# Altium PCB Laser.PcbDoc
Units mil, origin at the board's own origin, x right, y up, seen from the top; angles counter-clockwise.
Board outline 3857.94 x 2913.78 mil, 2 copper layers (Top Layer, Bottom Layer); 97 components, 68 nets, 365 pads, 86 vias.
Unrouted connection lines stored in the file: 15.
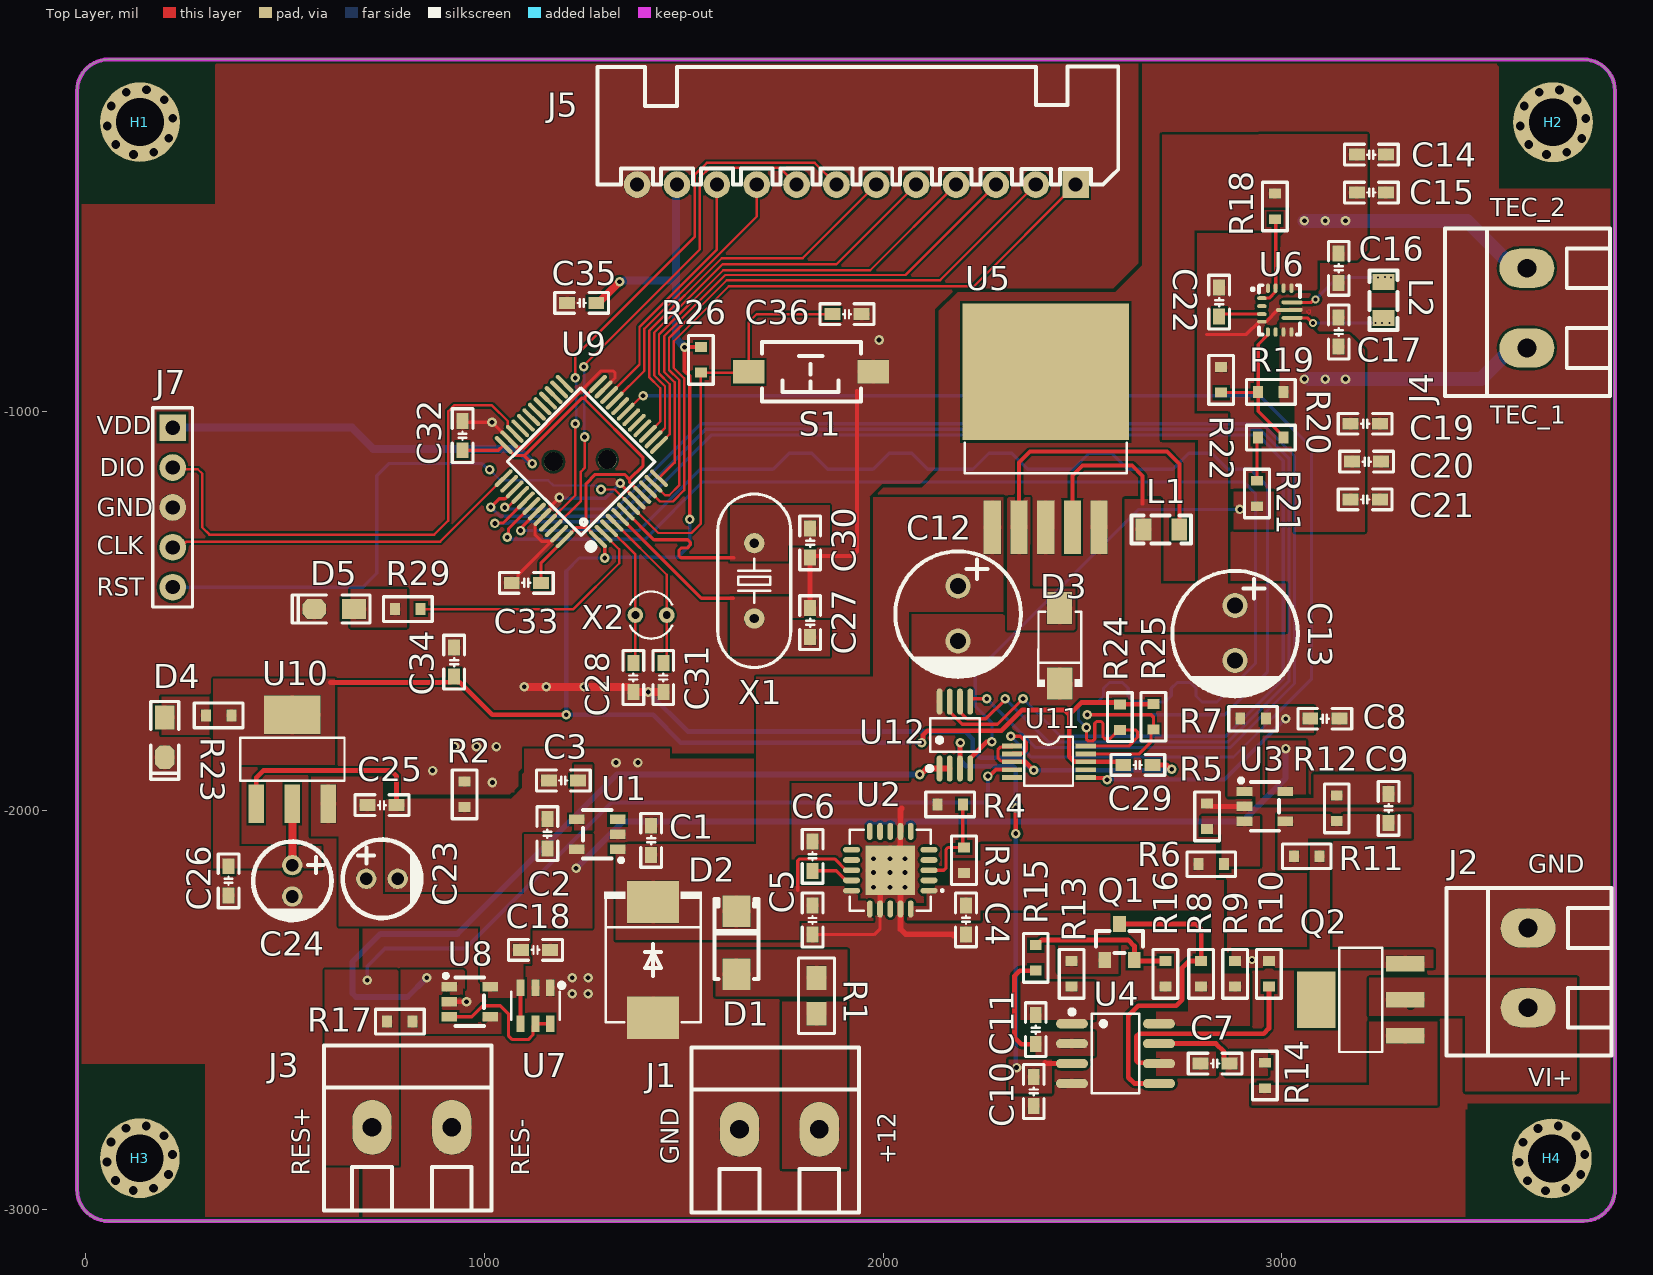
[diagram p0: Top Layer view]
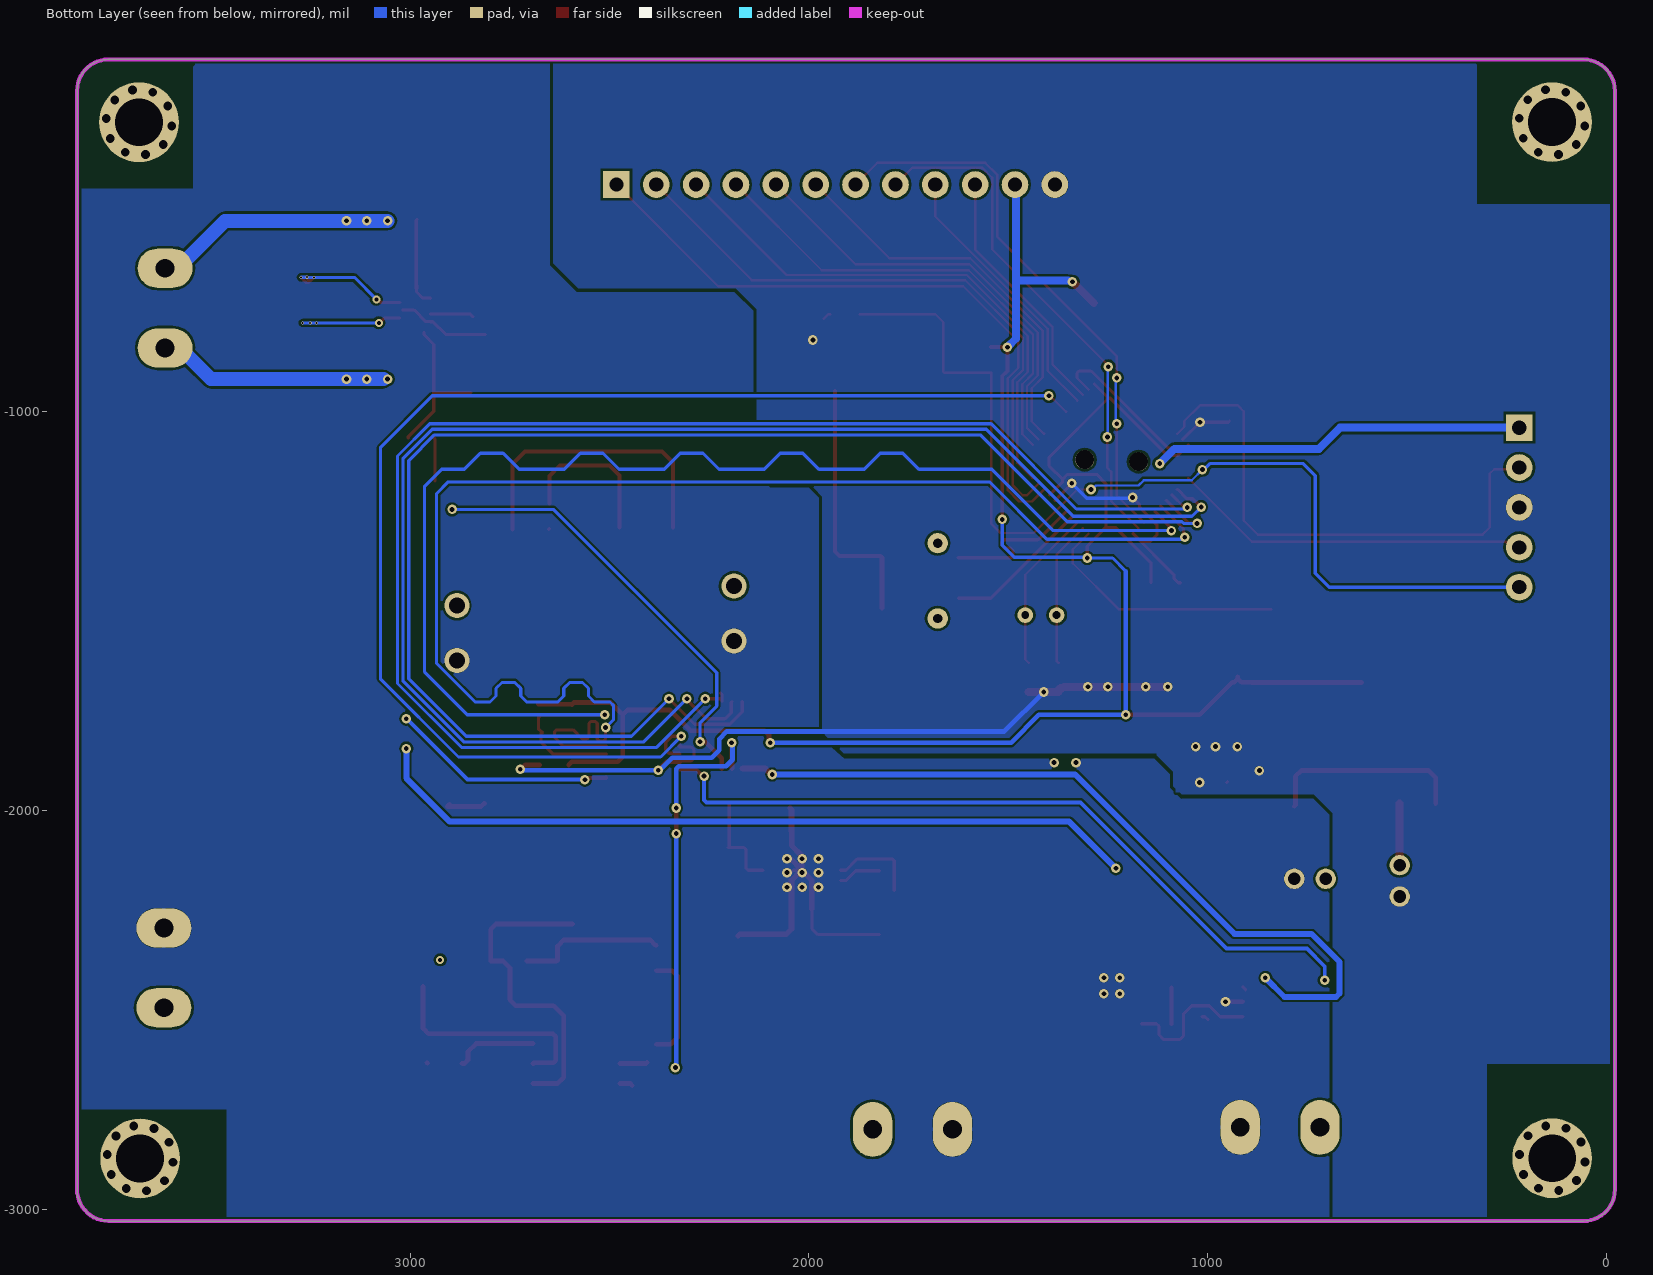
[diagram p1: Bottom Layer view, seen from below]

## Layer stack, top to bottom
Top Solder: solder mask 0.4, Solder Resist, Dk 3.5
Top Layer: signal copper 1.4
Dielectric 1: dielectric 12.6, FR-4, Dk 4.8
Bottom Layer: signal copper 1.4
Bottom Solder: solder mask 0.4, Solder Resist, Dk 3.5

## Board outline
56.74,-3030 cw(c56.74,-2951.26) -22,-2951.26 -22,-195.35 cw(c56.94,-195.16) 56.74,-116.22 3757.53,-116.22 cw(c3757.65,-194.51) 3835.94,-194.38 3835.94,-2950.28 cw(c3756.87,-2950.93) 3757.53,-3030

## Design rules (kind name [scope] priority, off if disabled: settings)
Clearance Signal [InNetClass('Signal')] p1: gap=6 ignorepadtopadclearanceinfootprint=FALSE
Clearance [All] p2: gap=6 ignorepadtopadclearanceinfootprint=FALSE
PlaneConnect [All] p1: planeconnectstyle=Direct reliefexpansion=20 reliefentries=4 reliefconductorwidth=10 reliefairgap=10
PolygonConnect [All] p1 off: connectstyle=Relief reliefconductorwidth=10 reliefentries=4 polygonreliefangle="90 Angle" airgapwidth=10
RoutingVias [All] p1: holewidth=12 width=24 viastyle="Through Hole" minholewidth=5 minwidth=8 maxholewidth=28 maxwidth=50
SilkToSilkClearance [All] p1: silktosilkclearance=2
SolderMaskExpansion [All] p1: expansion=4 istentingtop=FALSE
Width [All] p1: maxlimit=35 minlimit=6 preferedwidth=8
28 further rules are at their usual default settings.

## Classes and differential pairs
net class GND: DGND GND
component class U_STM32_System: C23 C24 C25 C26 C27 C28 C29 C30 C31 C32 C33 C34 C35 C36 D4 D5 J5 J7 R23 R24 R25 R26 R29 S1 U9 U10 U12 X1 X2
component class U_V-I_Transform: C4 C5 C6 C7 C8 C9 C10 C11 J2 Q1 Q2 R3 R4 R5 R6 R7 R8 R9 R10 R11 R12 R13 R14 R15 R16 U2 U3 U4
component class U_Tec_Control: C12 C13 C14 C15 C16 C17 C18 C19 C20 C21 C22 D3 J3 J4 L1 L2 R17 R18 R19 R20 R21 R22 U5 U6 U7 U8
component class Laser_main: C1 C2 C3 D1 D2 J1 R1 R2 U1

## Components (designator, comment, footprint, x,y, rotation, side; value= is the part's Value field where it differs from the comment)
C1 "1uF" "C 0603_M" 1418,-2075 r90 top
C2 "2.2uF" "C 0603_M" 1158,-2058.5 r90 top
C3 "0.01uF" "C 0603_M" 1198,-1925 r180 top
C4 "47uF" "C 0603_M" 2208,-2274.5 r90 top
C5 "10uF" "C 0603_M" 1823,-2275 r270 top
C6 "1uF" "C 0603_M" 1823,-2115 r90 top
C7 "2.2nF" "C 0603_M" 2833,-2635 r180 top
C8 "0.1uF" "C 0603_M" 3108,-1770 r0 top
C9 "0.1uF" "C 0603_M" 3268,-1995 r270 top
C10 "100pF" "C 0603_M" 2378,-2705 r90 top
C11 "1nF" "C 0603_M" 2383,-2550 r270 top
C12 "680uF" CAP-TH_BD8.0-P3.50-D0.6-FD 2188,-1506.1 r270 top
C13 "220uF" CAP-TH_BD8.0-P3.50-D0.6-FD 2883,-1554.9 r270 top
C14 "10uF" "C 0603_M" 3225,-355 r0 top
C15 "10uF" "C 0603_M" 3225,-450 r0 top
C16 "10uF" "C 0603_M" 3143,-640 r270 top
C17 "10uF" "C 0603_M" 3143,-800 r90 top
C18 "0.47uF" "C 0603_M" 1128,-2350 r0 top
C19 "22uF" "C 0603_M" 3209.5,-1030 r0 top
C20 "22uF" "C 0603_M" 3213,-1125 r0 top
C21 "22uF" "C 0603_M" 3209.5,-1220 r0 top
C22 "100nF" "C 0603_M" 2843,-725 r90 top
C23 "10uF/16V" CAP-TH_BD5.0-P2.00-D0.8-FD 743,-2171.61 r0 top
C24 "10uF/16V" CAP-TH_BD5.0-P2.00-D0.8-FD 518,-2176.61 r270 top
C25 "0.1uF" "C 0603_M" 743,-1986.61 r0 top
C26 "0.1uF" "C 0603_M" 358,-2176.61 r270 top
C27 "20pF" "C 0603_M" 1817,-1529 r270 top
C28 "10pF" "C 0603_M" 1373.63,-1666.5 r90 top
C29 "0.1uF" "C 0603_M" 2639,-1886 r0 top
C30 "20pF" "C 0603_M" 1817,-1329 r90 top
C31 "10pF" "C 0603_M" 1448.63,-1666.5 r90 top
C32 "0.1uF" "C 0603_M" 945,-1060 r90 top
C33 "0.1uF" "C 0603_M" 1105,-1429 r180 top
C34 "0.1uF" "C 0603_M" 924,-1628 r90 top
C35 "0.1uF" "C 0603_M" 1244,-727 r180 top
C36 "0.1uF" "C 0603_M" 1909.5,-755 r0 top
D1 "SS34_C2909963" SMA_L4.2-W2.7-LS5.0-RD 1632,-2332 r270 top
D2 "SMCJ12A_C967221" SMC_L6.9-W5.9-LS8.0-RD 1423,-2375 r270 top
D3 "1N5824" SMA_L4.3-W2.6-LS5.0-RD 2443,-1587 r90 top
D4 "POWER-LED" "LED 0805R" 198,-1816.61 r270 top
D5 "LED" "LED 0805R" 623,-1495 r180 top
H1 "固定孔" 铜柱孔3 135.88,-273.5 r0 top
H2 "固定孔" 铜柱孔3 3680.52,-273.7 r0 top
H3 "固定孔" 铜柱孔3 135.48,-2872.52 r0 top
H4 "固定孔" 铜柱孔3 3677.71,-2873.02 r0 top
J1 "POWER" KF128-5.08-2P#1 1740,-2800 r0 top
J2 "Laser_VI" KF128-5.08-2P#2 3618,-2395 r90 top
J3 "Laser_热敏" KF128-5.08-2P#2 818,-2795 r0 top
J4 "Laser_TEC" KF128-5.08-2P#2 3615,-740 r90 top
J5 "CON12_1" XH2.54-WI-12P 1933,-430 r180 top
J7 "CON5" HDR2.54-LI-5P 218,-1240 r270 top
L1 "33uH" "L 0805" 2698,-1295 r0 top
L2 "1.5uH" "L 0805" 3255,-720 r90 top
Q1 "SI2304BDS-T1-GE3" SOT-23_L2.9-W1.3-P1.90-LS2.4-BR 2593,-2330 r270 top
Q2 "NTF2955PT1G" SOT-223-4_L6.5-W3.5-P2.30-LS7.0-BR 3198,-2475 r0 top
R1 "PTC自恢复保险丝" 0805R 1833,-2510 r90 top
R2 "0" 0603R 950,-1960 r270 top
R3 "47K" 0603R 2203,-2125 r270 top
R4 "10K" 0603R 2168,-1985 r0 top
R5 "40.2K" 0603R 2813,-2015 r90 top
R6 "10K" 0603R 2823,-2135 r0 top
R7 "1K" 0603R 2928,-1770 r0 top
R8 "200" 0603R 2798,-2410 r90 top
R9 "2" 0603R 2883,-2410 r90 top
R10 "10K" 0603R 2968,-2410 r90 top
R11 "10K" 0603R 3063,-2115 r180 top
R12 "40.2K" 0603R 3138,-1995 r90 top
R13 "200" 0603R 2473,-2410 r270 top
R14 "330" 0603R 2958,-2665 r90 top
R15 "10K" 0603R 2383,-2370 r270 top
R16 "1.5K" 0603R 2708,-2410 r270 top
R17 "10K" 0603R 788,-2530 r180 top
R18 "10K" 0603R 2983,-485 r90 top
R19 "680K" 0603R 2973,-950 r0 top
R20 "160K" 0603R 2973,-1065 r0 top
R21 "3K" 0603R 2938,-1205 r90 top
R22 "130K" 0603R 2848,-920 r270 top
R23 "10K" 0603R 333,-1761.61 r180 top
R24 "4.7K" 0603R 2594,-1766 r90 top
R25 "4.7K" 0603R 2678,-1765 r90 top
R26 "10K" 0603R 1543,-870 r90 top
R29 "10K" 0603R 808,-1495 r180 top
S1 "SW-SPST" "TSW SMD-3*6*2.5" 1818,-900 r180 top
U1 "LP2985IM5X-5.0/NOPB" SOT-23-5_L3.0-W1.7-P0.95-LS2.8-BR 1283,-2060 r0 top
U2 "TPS7A4701RGWR" VQFN-20_L5.0-W5.0-P0.65-TL-EP 2017.99,-2149.99 r180 top
U3 "OPA333AIDBVR" SOT-23-5_L3.0-W1.7-P0.95-LS2.8-BR 2958,-1990 r180 top
U4 "OPA2197IDR" SOIC-8_L4.9-W3.9-P1.27-LS6.0-BL 2583,-2610 r270 top
U5 "LM2596R-5.0" TO-263-5_L10.2-W8.6-P1.70-LS14.4-TL 2408,-1095 r90 top
U6 "TPS63070RNMR" VQFN-HR-15_L3.0-W2.5-P0.50-BL_TPS63070RNMR 2988,-745 r270 top
U7 "REF3225AIDBVR" SOT-23-6_L2.9-W1.6-P0.95-LS2.8-BL 1128,-2490 r180 top
U8 "OPA333AIDBVR" SOT-23-5_L3.0-W1.7-P0.95-LS2.8-BR 963,-2480 r180 top
U9 "STM32F103C8" LQFP-48_L7.0-W7.0-P0.50-LS9.0-BL 1243,-1125 r45 top
U10 "AMS1117-3.3" SOT-223-4_L6.5-W3.5-P2.30-LS7.0-BR 518,-1871.61 r270 top
U11 "ADS1115IDGST" VSSOP-10_L3.0-W3.0-P0.50-LS4.9-BL 2416,-1878 r270 top
U12 "DAC8552IDGKR" VSSOP-8_L3.0-W3.0-P0.65-LS5.0-BL 2180,-1811 r0 top
X1 "8MHz" "OSC HC-49S" 1677,-1424 r270 top
X2 "32.768KHz" OSC-3x8-LI 1418,-1510 r0 top

## Footprints (in the part's own frame and the unit in brackets; to place one, negate y for a bottom-side part, rotate by r counter-clockwise, add the part's x,y. Pads: shape width x height; smd on the part's side, far side on the other; paste and mask are expansions set on the pad)
0603R [mil]
  rect 25x30 smd: 1(-32,0) 2(32,0)
  silkscreen extent -61,-31 61,31, body extent -32,-16 31,16, height 18
0805R [mil]
  rect 60x50 smd: 1(0,0) 2(90,0)
  silkscreen extent -50,-45 140,45, body extent 5,-25 83,25, height 22
"C 0603_M" [mil] "无极性贴片电容"
  rect 40x30 smd: 1(-36.5,0) 2(36.5,0)
  silkscreen extent -68,-26 68,26, body extent -31,-16 31,16, height 32
CAP-TH_BD5.0-P2.00-D0.8-FD [mm] "径向引线,5x11mm"
  round 1.3 hole 0.8: 1(-1,0) 2(1,0)
  silkscreen extent -2.5,-2.5 2.5,2.5
CAP-TH_BD8.0-P3.50-D0.6-FD [mm] "径向引线,8x16mm"
  round 1.6 hole 1: 1(-1.75,0) 2(1.75,0)
  silkscreen extent -3.96,-4 4.04,4
HDR2.54-LI-5P [mm] "排针，5脚"
  rect 1.7x1.7 hole 0.9: 1(-5.08,0)
  round 1.7 hole 0.9: 2(-2.54,0) 3(0,0) 4(2.54,0) 5(5.08,0)
  silkscreen extent -6.35,-1.27 6.35,1.27, body extent -6.35,-1.27 6.35,1.27, height 8.5
KF128-5.08-2P#1 [mm] "螺钉式接线端子，脚距5.08mm"
  oval 2.5x3.5 hole 1.2: 1(2.54,0) 2(-2.54,0)
  silkscreen extent -5.59,-5.31 5.08,5.21, body extent -5.58,-5.3 5.08,5.2, height 14.15
KF128-5.08-2P#2 [mm] "螺钉式接线端子，脚距5.08mm"
  oval 2.5x3.5 hole 1.2: 1(-2.54,0) 2(2.54,0)
  silkscreen extent -5.59,-5.31 5.08,5.21, body extent -5.58,-5.3 5.08,5.2, height 14.15
"L 0805" [mil] "小功率贴片电感"
  rect 40x55 smd: 1(-45,0) 2(45,0)
  silkscreen extent -75,-35 75,35, body extent -39,-24 39,24, height 35
"LED 0805R" [mil] "红色0805LED"
  rect 60x50 smd: 1(-50,0)
  oct 60x50 smd: 2(50,0)
  silkscreen extent -90,-35 105,35, body extent -39,-25 39,25, height 32
LQFP-48_L7.0-W7.0-P0.50-LS9.0-BL [mm]
  oval 0.27x1.5 smd: 1(-2.75,-4.25) 2(-2.25,-4.25) 3(-1.75,-4.25) 4(-1.25,-4.25) 5(-0.75,-4.25) 6(-0.25,-4.25) 7(0.25,-4.25) 8(0.75,-4.25) 9(1.25,-4.25) 10(1.75,-4.25) 11(2.25,-4.25) 12(2.75,-4.25) 25(2.75,4.25) 26(2.25,4.25) 27(1.75,4.25) 28(1.25,4.25) 29(0.75,4.25) 30(0.25,4.25) 31(-0.25,4.25) 32(-0.75,4.25) 33(-1.25,4.25) 34(-1.75,4.25) 35(-2.25,4.25) 36(-2.75,4.25)
  oval 1.5x0.27 smd: 13(4.25,-2.75) 14(4.25,-2.25) 15(4.25,-1.75) 16(4.25,-1.25) 17(4.25,-0.75) 18(4.25,-0.25) 19(4.25,0.25) 20(4.25,0.75) 21(4.25,1.25) 22(4.25,1.75) 23(4.25,2.25) 24(4.25,2.75) 37(-4.25,2.75) 38(-4.25,2.25) 39(-4.25,1.75) 40(-4.25,1.25) 41(-4.25,0.75) 42(-4.25,0.25) 43(-4.25,-0.25) 44(-4.25,-0.75) 45(-4.25,-1.25) 46(-4.25,-1.75) 47(-4.25,-2.25) 48(-4.25,-2.75)
  silkscreen extent -3.59,-4.46 3.3,3.34
"OSC HC-49S" [mm]
  round 1.3 hole 0.6: 1(-2.4,0) 2(2.4,0)
  silkscreen extent -5.52,-2.32 5.52,2.33, body extent -5.52,-2.32 5.53,2.33, height 4.13
OSC-3x8-LI [mm] "脚距：2mm"
  round 1 hole 0.5: 1(1,0) 2(-1,0)
  silkscreen extent -1.34,-1.5 1.34,1.5, body extent -1.5,-1.5 1.5,1.5, height 9.1
SMA_L4.2-W2.7-LS5.0-RD [mm]
  rect 2x1.8 smd: 1(-2,0) 2(2,0)
  silkscreen extent -2.79,-1.4 2.3,1.4
SMA_L4.3-W2.6-LS5.0-RD [mm]
  rect 2.046x1.62 smd: 1(-2.404,-0.009) 2(2.404,0.009)
  silkscreen extent -2.61,-1.44 2.16,1.44
SMC_L6.9-W5.9-LS8.0-RD [mm]
  rect 2.7x3.3 smd: 1(-3.686,0) 2(3.686,0)
  silkscreen extent -4.36,-3.1 3.98,3.1
SOIC-8_L4.9-W3.9-P1.27-LS6.0-BL [mm]
  oval 0.588x2.045 smd: 1(-1.905,-2.773) 2(-0.635,-2.773) 3(0.635,-2.773) 4(1.905,-2.773) 5(1.905,2.773) 6(0.635,2.773) 7(-0.635,2.773) 8(-1.905,2.773)
  silkscreen extent -2.8,-2.92 2.53,1.52
SOT-23-5_L3.0-W1.7-P0.95-LS2.8-BR [mm]
  rect 1x0.6 smd: 1(1.3,-0.95) 2(1.3,0) 3(1.3,0.95) 4(-1.3,0.95) 5(-1.3,-0.95)
  silkscreen extent -0.9,-1.78 1.65,1.55
SOT-23-6_L2.9-W1.6-P0.95-LS2.8-BL [mm]
  rect 0.532x1.072 smd: 1(-0.95,-1.149) 2(0,-1.149) 3(0.95,-1.149) 4(0.95,1.149) 5(0,1.149) 6(-0.95,1.149)
  silkscreen extent -1.82,-1.45 1.54,0.89
SOT-23_L2.9-W1.3-P1.90-LS2.4-BR [mm]
  rect 1x0.8 smd: 1(1.15,-0.95) 2(1.15,0.95) 3(-1.15,0)
  silkscreen extent -0.7,-1.5 0.7,1.5
SOT-223-4_L6.5-W3.5-P2.30-LS7.0-BR [mm]
  rect 2.47x0.98 smd: 1(2.835,-2.3) 2(2.835,0) 3(2.835,2.3)
  rect 2.47x3.6 smd: 4(-2.835,0)
  silkscreen extent -1.37,-3.33 1.37,3.33
TO-263-5_L10.2-W8.6-P1.70-LS14.4-TL [mm]
  rect 3.4x1.1 smd: 1(-4.953,3.4) 2(-4.953,1.7) 3(-4.953,0) 4(-4.953,-1.7) 5(-4.953,-3.4)
  rect 8.705x10.587 smd: 6(4.953,0)
  silkscreen extent -1.52,-5.17 0.45,5.17
"TSW SMD-3*6*2.5" [mm] "3*6*2.5mm"
  rect 2x1.5 smd: 1(-3.996,-0.02) 2(3.937,0)
  silkscreen extent -3.21,-1.9 3.09,1.9, body extent -4,-1.88 4,1.62, height 2.59
VQFN-20_L5.0-W5.0-P0.65-TL-EP [mm]
  oval 1.087x0.364 smd: 1(-2.469,1.3) 2(-2.469,0.65) 3(-2.468,0) 4(-2.468,-0.65) 5(-2.468,-1.3) 11(2.469,-1.3) 12(2.469,-0.65) 13(2.468,0) 14(2.468,0.65) 15(2.468,1.3)
  oval 0.364x1.087 smd: 6(-1.3,-2.469) 7(-0.65,-2.469) 8(0,-2.468) 9(0.65,-2.468) 10(1.3,-2.468) 16(1.3,2.469) 17(0.65,2.469) 18(0,2.468) 19(-0.65,2.468) 20(-1.3,2.468)
  rect 3.15x3.15 smd: 21(0,0)
  silkscreen extent -3.39,-2.58 2.58,2.58
VQFN-HR-15_L3.0-W2.5-P0.50-BL_TPS63070RNMR [mm]
  oval 0.25x0.599 smd: 1(-0.759,-0.964) 2(-0.251,-0.964) 3(0.257,-0.964) 4(0.739,-0.964)
  oval 0.599x0.25 smd: 5(1.394,-0.573) 6(1.394,-0.09) 7(1.394,0.418) 8(1.394,0.926) 12(-1.394,0.926) 13(-1.394,0.418) 14(-1.394,-0.09) 15(-1.394,-0.573)
  oval 0.25x1.349 smd: 9(0.495,0.964) 11(-0.495,0.964)
  oval 0.25x1.7 smd: 10(-0.013,0.789)
  silkscreen extent -1.58,-1.59 1.55,1.46
VSSOP-8_L3.0-W3.0-P0.65-LS5.0-BL [mm]
  oval 0.364x1.662 smd: 1(-0.975,-2.131) 2(-0.325,-2.131) 3(0.325,-2.131) 4(0.975,-2.131) 5(0.975,2.131) 6(0.325,2.131) 7(-0.325,2.131) 8(-0.975,2.131)
  silkscreen extent -1.76,-2.28 1.58,1.07
VSSOP-10_L3.0-W3.0-P0.50-LS4.9-BL [mm]
  rect 0.3x1.3 smd: 1(-1,-2.35) 2(-0.5,-2.35) 3(0,-2.35) 4(0.5,-2.35) 5(1,-2.35) 6(1,2.35) 7(0.5,2.35) 8(0,2.35) 9(-0.5,2.35) 10(-1,2.35)
  silkscreen extent -1.6,-1.56 1.52,1.54
XH2.54-WI-12P [mm] "接插件，12P"
  rect 1.7x1.7 hole 0.9: 1(-13.97,0)
  round 1.7 hole 0.9: 2(-11.43,0) 3(-8.89,0) 4(-6.35,0) 5(-3.81,0) 6(-1.27,0) 7(1.27,0) 8(3.81,0) 9(6.35,0) 10(8.89,0) 11(11.43,0) 12(13.97,0)
  silkscreen extent -16.69,-7.53 16.51,0, body extent -16.47,-7.35 16.47,0.35, height 5.75
铜柱孔3 [mil]
  round 23 hole 22: 11(-82.21,-9.67) 11(-72.19,40.5) 11(-60.83,-56.14) 11(-34.6,75.2) 11(-16.21,-81.17) 11(16.21,81.17) 11(34.6,-75.2) 11(60.83,56.14) 11(72.19,-40.5) 11(82.21,9.67)
  round 200 hole 120: 11(0,0)

## Part data
C1 C2 C3 C4 C5 C6 C7 C8 C9 C10 C11 C18 C22 C25 C26 C27 C28 C29 C30 C31 C32 C33 C34 C35 C36: library part 普通电容, "Capacitor"
C12 C13 C23 C24: library part 电解电容1, "Capacitor"
C14 C20 C21: library part 普通电容, "Capacitor 0805"
C15 C19: library part 普通电容, "Capacitor,0805"
C16 C17: library part 普通电容, "Capacitor,0603"
D1: BOM_JLCPCB Part Class="Extended Part", BOM_Manufacturer=YONGYUTAI(永裕泰), BOM_Manufacturer Part=SS34, BOM_Supplier=LCSC, BOM_Supplier Part=C2909963, Contributor=LCSC, spicePre=D, spiceSymbolName=SS34_C2909963
D2: BOM_Manufacturer=Boarden(宝宫), BOM_Manufacturer Part=SMCJ12A, BOM_Supplier=LCSC, BOM_Supplier Part=C967221, Contributor=LCSC, spicePre=D, spiceSymbolName=SMCJ12A_C967221
D3: "Zener Diode"
D4 D5: library part 发光二极管
J1 J2 J3 J4: library part SIP2, "jointbar"
J5 J7: "Connector"
L1 L2: library part L1, "电感"
Q1: BOM_JLCPCB Part Class="Extended Part", BOM_Manufacturer=VISHAY, BOM_Manufacturer Part=SI2304BDS-T1-GE3, BOM_Supplier=LCSC, BOM_Supplier Part=C81446, spicePre=Q, spiceSymbolName=SI2304BDS-T1-GE3
Q2: BOM_JLCPCB Part Class="Extended Part", BOM_Manufacturer="VBsemi Elec", BOM_Manufacturer Part=NTF2955PT1G, BOM_Supplier=LCSC, BOM_Supplier Part=C710036, Contributor=LCSC, spicePre=Q, spiceSymbolName=NTF2955PT1G
R2 R3 R4 R8 R16: library part 普通电阻, "电阻精度为0.1%"
R5 R6 R7 R10 R11 R12 R13 R14 R15 R17 R18 R19 R20 R21 R22 R23 R24 R25 R26 R29: library part 普通电阻
R9: library part 采样电阻, "采样电阻，电阻精度为0.1%"
S1: "Single-Pole, Single-Throw Switch", LatestRevisionDate=17-Jul-2002, LatestRevisionNote="Re-released for DXP Platform.", PackageReference=SPST-2, Published=24-Mar-1999, Publisher="Altium Limited"
U1 U2 U11 U12: BOM_JLCPCB Part Class="Extended Part", BOM_Manufacturer="Texas Instruments", BOM_Supplier=LCSC, Contributor=LCSC, spicePre=U
  U1: BOM_Manufacturer Part=LP2985IM5X-5.0/NOPB, BOM_Supplier Part=C73908, spiceSymbolName=LP2985IM5X-5.0/NOPB
  U2: BOM_Manufacturer Part=TPS7A4701RGWR, BOM_Supplier Part=C90084, spiceSymbolName=TPS7A4701RGWR
  U11: BOM_Manufacturer Part=ADS1115IDGST, BOM_Supplier Part=C468683, spiceSymbolName=ADS1115IDGST
  U12: BOM_Manufacturer Part=DAC8552IDGKR, BOM_Supplier Part=C136020, spiceSymbolName=DAC8552IDGKR
U3 U4 U6 U7 U8: BOM_JLCPCB Part Class="Extended Part", BOM_Manufacturer=TI, BOM_Supplier=LCSC, spicePre=U
  U3 U8: BOM_Manufacturer Part=OPA333AIDBVR, BOM_Supplier Part=C30878, Contributor=LCSC, spiceSymbolName=OPA333AIDBVR
  U4: BOM_Manufacturer Part=OPA2197IDR, BOM_Supplier Part=C139363, Contributor=LCSC, spiceSymbolName=OPA2197IDR
  U6: BOM_Manufacturer Part=TPS63070RNMR, BOM_Supplier Part=C109322, spiceSymbolName=TPS63070RNMR
  U7: BOM_Manufacturer Part=REF3225AIDBVR, BOM_Supplier Part=C40852, spiceSymbolName=REF3225AIDBVR
U5: BOM_JLCPCB Part Class="Extended Part", BOM_Manufacturer=HTC, BOM_Manufacturer Part=LM2596R-5.0, BOM_Supplier=LCSC, BOM_Supplier Part=C77782, spicePre=U, spiceSymbolName=LM2596R-5.0
U9: library part STM32F103C8_A, "Flaah:64/RAM:20/IO:36", BOM名称=32位STM单片机, 学习资源=www.ooocke.com, 版权归属=源创客
U10: BOM_JLCPCB Part Class="Extended Part", BOM_Manufacturer="Youtai Semiconductor Co., Ltd.", BOM_Manufacturer Part=AMS1117-3.3, BOM_Supplier=LCSC, BOM_Supplier Part=C347256, Contributor=LCSC, spicePre=U, spiceSymbolName=AMS1117-3.3_C347256
X1 X2: library part CRYSTAL, "Crystal"

## Free pads (board coordinates)
  round 47.24 hole 47.24 unplated: ""(1173,-1125) ""(1308,-1120)

## Via types
v1: diameter 24, hole 12, Top Layer to Bottom Layer, tented both sides, 76 vias
v2: diameter 8, hole 5, Top Layer to Bottom Layer, tented both sides, 6 vias
v3: diameter 20, hole 10, Top Layer to Bottom Layer, tented both sides, 2 vias
v4: diameter 24, hole 12, Top Layer to Bottom Layer, 1 vias
v5: diameter 20, hole 10, Top Layer to Bottom Layer, 1 vias

## Nets (pads, with @x,y where several pads share a name; then routed paths per layer and width w, separated by ;. In a path a pad name is that pad's centre, name@x,y a point inside that pad or via, vN(x,y) a via of type N, cw(c..) or ccw(c..) an arc to the next point about the centre after c; other vN are vias at no path point)
"+5V  TEC_Con": C13.1 C14.1 C15.1 C16.1 J4.2 L1.1 R18.2 U5.4 U6.12 U6.13 | length 1006.3
  Top Layer w8: L1.1@2651,-1293 L1.1
  Top Layer w10: U5.4 2474.93,-1160.07 2500,-1135 2625,-1135 2651,-1161 2651,-1230
  Bottom Layer w35: v1(3057,-521) v1(3109,-521) v1(3160,-521) 3465,-521 3584,-640 J4.2
+5V_Anagle: C2.1 C18.1 C23.1 C25.1 U1.5 U3.5 U7.3 U7.4 U8.5 U10.3 | length 2038.1
  Top Layer w10: U7.4 U7.3
  Bottom Layer w15: v1(1230,-2145) 1347,-2028 2901,-2028 3010,-1919 v1(3010,-1845)
"+8V  V-I_Trans": C4.2 R3.2 R6.1 R8.1 R9.1 U2.1 U2.20 U4.8
"+12V Vin": C1.1 C5.1 C12.1 D1.1 D2.1 U1.1 U2.13 U2.15 U2.16 U5.1 | length 223.4
  Top Layer w8: 1786,-2201 1786,-2126.19 1790.69,-2121.5 1878.5,-2121.5 1906.99,-2149.99 U2.13
AD_SCL: R24.1 U9.42 U11.10 | length 3559.1
  Top Layer w8: v1(1057,-1315) 1060.06,-1311.94 1060.06,-1294.02 U9.42 ; U11.10 2616.58,-1838.62 2638,-1817.2 2638,-1802.69 2633.31,-1798 R24.1 ; v1(2510,-1792) 2510,-1821 2514.69,-1825.69 2526.31,-1825.69 2531,-1821 2531,-1781.69 2535.69,-1777 2547,-1777 2551.69,-1781.69 2551.69,-1815.5 2556.37,-1820.19 2569.31,-1820.19 R24.1@2591.5,-1798
  Bottom Layer w8: v1(1057,-1315) 1061.33,-1315 1066.33,-1320 1403,-1320 1547,-1176 2905,-1176 2934,-1205 2934,-1631.48 2837.48,-1728 2800,-1728 2785,-1713 2785,-1694 2770,-1679 2738,-1679 2723,-1694 2723,-1713 2708,-1728 2669,-1728 2630,-1728 2615,-1713 2615,-1694 2600,-1679 2568,-1679 2553,-1694 2553,-1713 2538,-1728 2499,-1728 2490,-1737 2490,-1772 v1(2510,-1792)
AD_SDA: R25.1 U9.43 U11.9 | length 3729.8
  Top Layer w8: v1(1090.6,-1298) 1090.6,-1292.03 1131.64,-1250.98 U9.43 ; U11.9 2642.42,-1858.32 2671.74,-1829 R25.1@2671.74,-1805.5 ; R25.1@2668,-1805.5 2676.5,-1797 R25.1 2678,-1766.69 ; 2671.31,-1760 2673.31,-1760 2678,-1764.69 2678,-1766.69 ; 2671.31,-1760 v1(2512,-1760) 2671.31,-1760 ; 2671.31,-1760 2678,-1766.69
  Bottom Layer w8: v1(1090.6,-1298) 1387,-1298 1541,-1144 1724.16,-1144 1764.33,-1103.84 1821.13,-1103.84 1861.29,-1144 1974.89,-1144 2015.05,-1103.84 2071.85,-1103.84 2112.02,-1144 2225.62,-1144 2265.78,-1103.84 2322.58,-1103.84 2362.75,-1144 2476.35,-1144 2516.51,-1103.84 2573.31,-1103.84 2613.47,-1144 2727.07,-1144 2767.24,-1103.84 2824.04,-1103.84 2864.2,-1144 2921,-1144 2964,-1187 2964,-1653 2857,-1760 v1(2512,-1760)
DA_C\S\: U9.40 U12.5 | length 3678.7
  Top Layer w8: v1(1051,-1240) 1051.91,-1240 1054.17,-1237.74 1060.39,-1237.74 1089.62,-1208.51 U9.40 ; U12.5 2218.39,-1708.92 U12.5@2221.31,-1706 ; U12.5@2220.37,-1720 v1(2260,-1720)